# KiCad board OLD_PCB.kicad_pcb (continued)
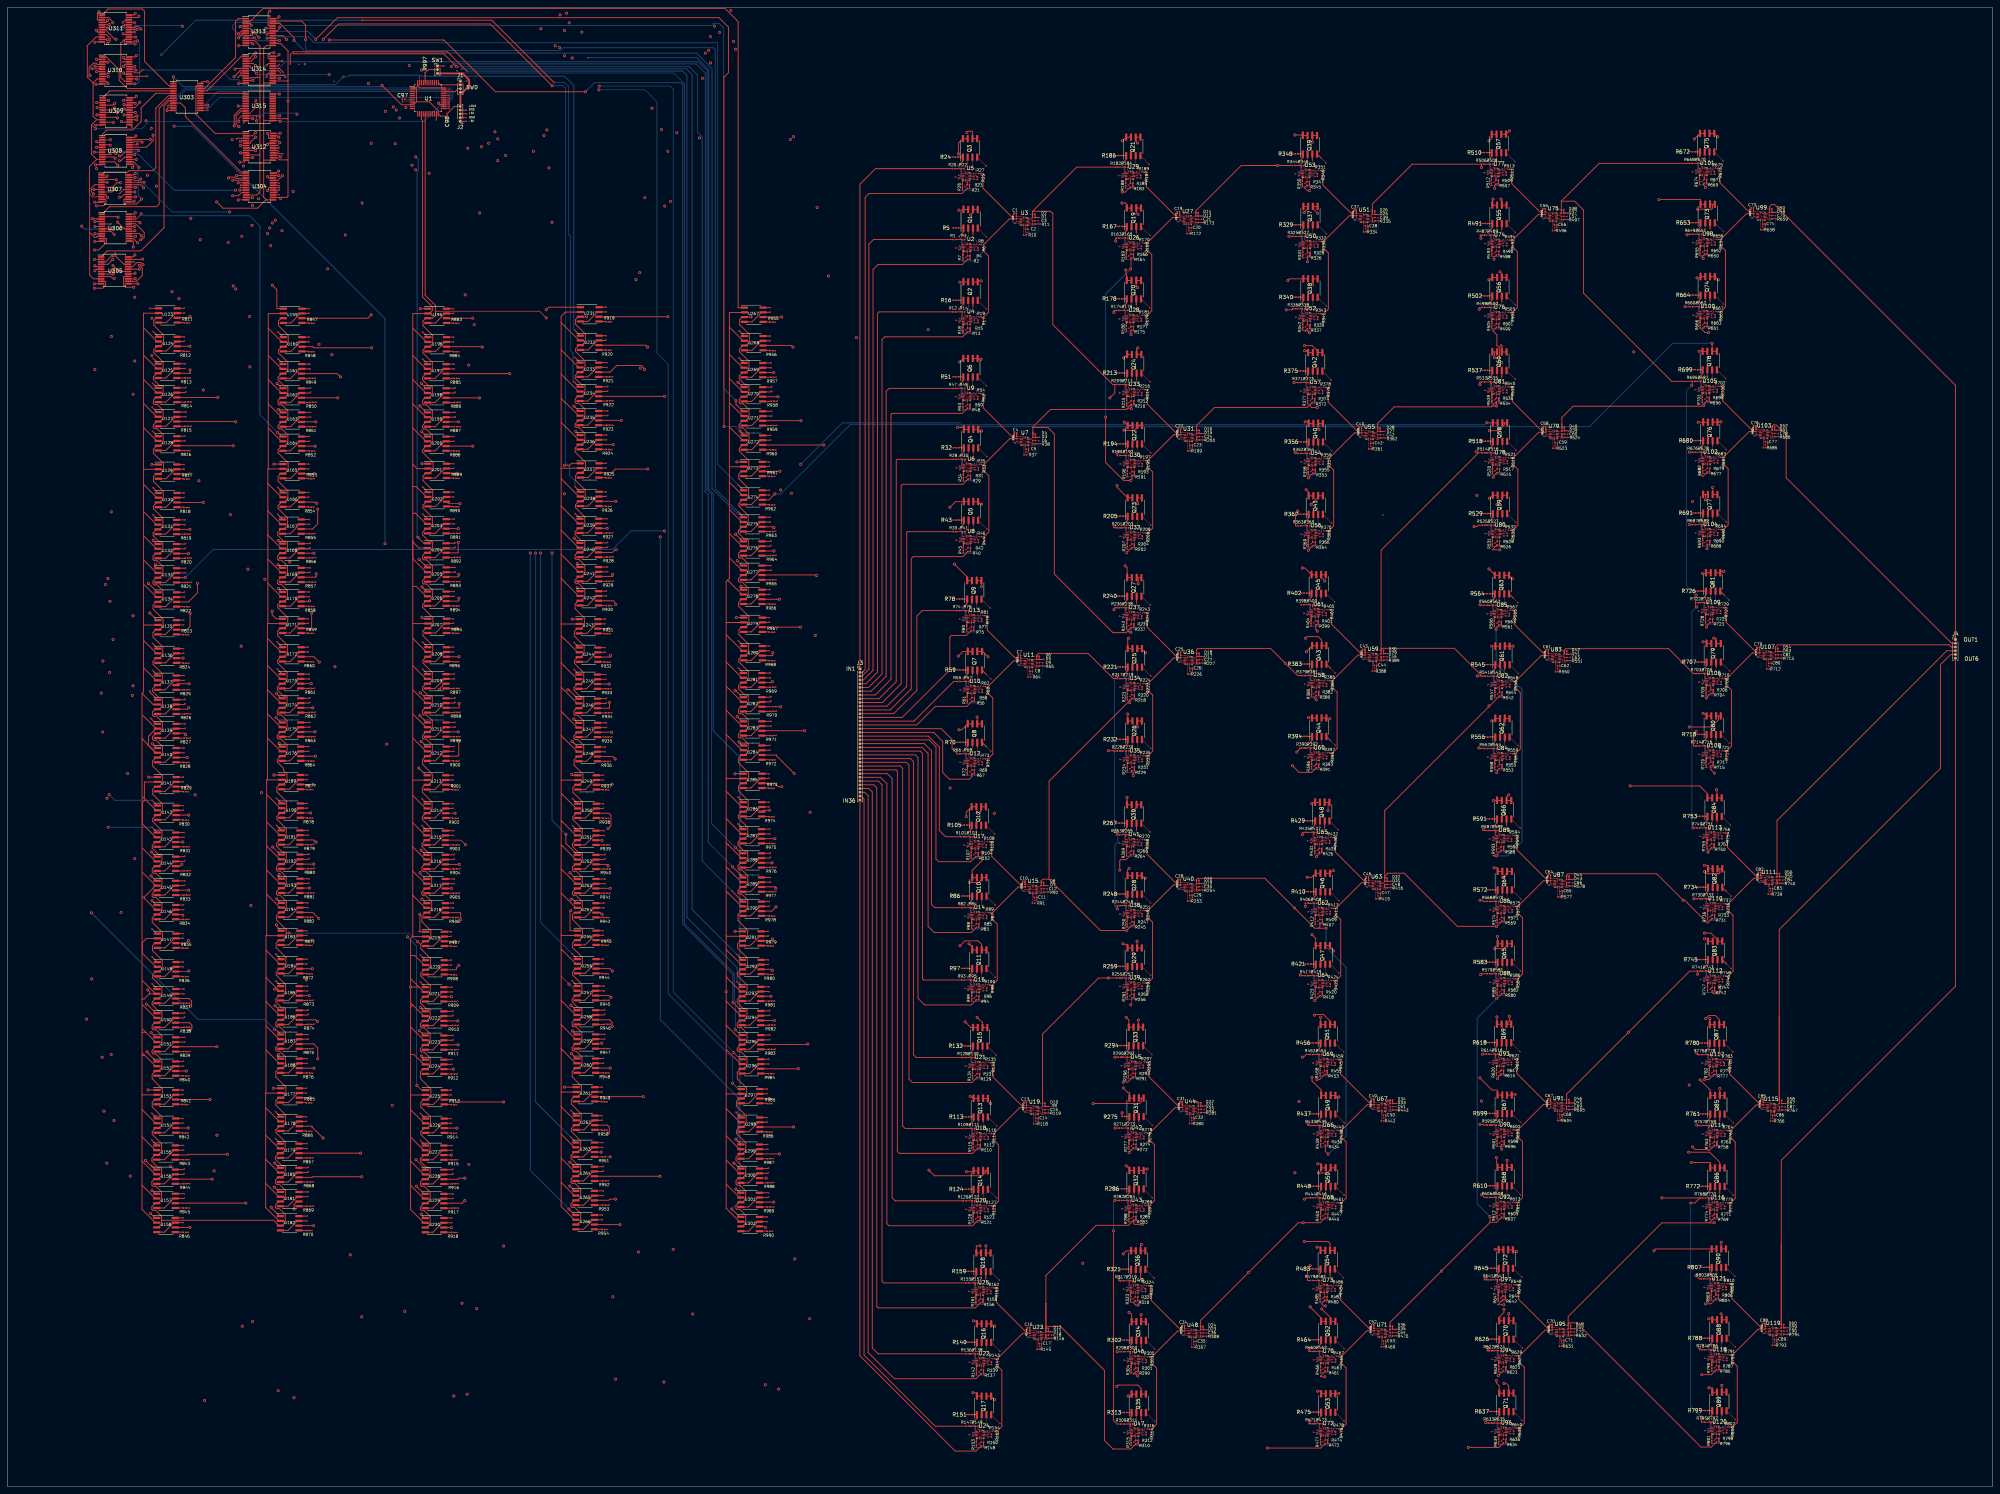
[diagram p0: board, top side]
## Routing (per net, layer and track width the routed paths; a pad name or vN(x,y) marks a point on that pad's centre or on a via; arc(x,y) is an arc through that point) (continued)
Net-(U78B--): length 2.2
  Top w0.1: U78.5 396.71,272.95 397.31,272.95
  Top w0.25: R520.1 396.47,273.01 396.53,273.08 396.56,273.08
Net-(U78C--): length 2.4
  Top w0.1: U78.8 398.46,271.84 398.36,271.75
  Top w0.25: R517.1 398.36,271.75 398.36,270.78
Net-(U78D--): length 3.8
  Top w0.1: R521.1 401.3,274.77 v1(400.73,274.77) ; v1(399.41,274.78) 399.34,274.7 U78.12 398.31,274.85 397.71,274.85
  Bottom w0.1: v1(399.41,274.78) 399.42,274.77 v1(400.73,274.77)
Net-(U79B-+): length 4.9
  Top w0.1: v1(410.34,280.45) 410.37,280.43 411.4,280.43 411.48,280.5 U79.4
  Top w0.25: 410.07,282.92 410.07,282.74 v1(409.83,282.5) ; 410.07,282.92 C58.2 410.07,282.92
  Bottom w0.25: v1(409.83,282.5) 409.83,280.77 410.13,280.47 410.36,280.47 v1(410.34,280.45)
Net-(U79B--): length 3.5
  Top w0.1: R523.1 412.65,277.3 U79.6 412.5,280.1 U79.5
  Top w0.25: 412.67,277.28 R523.1
Net-(U79C--): length 3.9
  Top w0.1: U79.8 413.8,278.85 C59.1 413.86,277.8 R523.2
  Top w0.25: 413.86,278.3 C59.1 ; 413.54,277.49 R523.2
Net-(U79D-+): length 2.8
  Top w0.1: U79.11 414.82,281.3 C60.2 R524.1
  Top w0.25: 415.04,280.65 R524.1 ; 415.04,280.86 C60.2
Net-(U80A--): length 4
  Top w0.1: R527.1 396.27,255.66 396.55,255.38
  Top w0.25: 395.17,256.74 395.17,256.74 R525.2 ; 395.17,256.74 394.46,256.74 ; 395.17,256.74 396.27,256.74 R527.1
Net-(U80B--): length 2.2
  Top w0.1: U80.6 396.7,253.63 396.55,253.78
  Top w0.25: R531.1 396.46,253.69 396.53,253.75 396.55,253.75
Net-(U80C--): length 2.4
  Top w0.1: R528.1 398.45,252.52 398.45,253.78
  Top w0.25: R528.1 398.36,251.46
Net-(U80D--): length 3.8
  Top w0.1: U80.13 398.3,255.53 398.45,255.38 399.33,255.38 v1(399.41,255.45) ; R532.1 401.3,255.44 v1(400.73,255.44)
  Bottom w0.1: v1(400.73,255.44) 399.42,255.44 v1(399.41,255.45)
Net-(U81A--): length 3.8
  Top w0.1: U81.1 396.13,293.92 R535.1
  Top w0.25: R533.2 396.12,295 R535.1 396.13,294.46
Net-(U81B--): length 2.8
  Top w0.1: U81.6 396.56,291.89 U81.5
  Top w0.25: 396.32,290.72 396.32,291.34 ; 396.32,291.34 396.32,291.34 R539.1 ; 396.32,291.34 396.32,291.95 396.38,292.02 396.41,292.02
Net-(U81C--): length 3.1
  Top w0.1: 398.21,290.68 398.31,290.78 U81.8
  Top w0.25: R536.1 398.21,290.2 398.21,290.2 ; 398.21,290.68 398.21,290.2 ; 398.21,290.2 398.21,289.96 ; 398.21,289.96 398.21,289.96 R534.2 ; 398.21,289.96 398.21,289.72
Net-(U81D--): length 3.8
  Top w0.1: v1(400.59,293.7) 401.15,293.7 R540.1 ; U81.13 398.16,293.79 U81.12 399.19,293.64 v1(399.26,293.71)
  Top w0.25: 401.21,293.65 R540.1
  Bottom w0.1: v1(399.26,293.71) 399.28,293.7 v1(400.59,293.7)
Net-(U82A--): length 3.3
  Top w0.1: 396.93,216.41 396.93,215.33 397.21,215.05
  Top w0.25: 395.12,216.41 396.93,216.41
Net-(U82B--): length 2.8
  Top w0.1: U82.6 397.36,213.3 397.21,213.45
  Top w0.25: 397.12,212.74 397.12,213.36 397.19,213.42 397.21,213.42 ; 397.12,212.74 R547.1 397.12,212.74
Net-(U82C--): length 2.8
  Top w0.1: 399.11,213.45 399.11,212.19 399.02,212.09
  Top w0.25: R544.1 399.02,212.09 399.02,211.61 ; 399.02,211.61 399.02,211.61 R542.2 ; 399.02,211.61 399.02,211.13
Net-(U82D--): length 3.8
  Top w0.1: v1(400.07,215.12) 400,215.05 399.11,215.05 398.96,215.2 U82.13 ; v1(401.39,215.11) 401.96,215.11 402.01,215.06
  Top w0.25: 399.04,215.12 398.98,215.18
  Bottom w0.1: v1(401.39,215.11) 400.08,215.11 v1(400.07,215.12)
Net-(U83B-+): length 4.9
  Top w0.15: U83.4 412.09,220.85 411.99,220.75 411.05,220.75 v1(411,220.8)
  Top w0.25: 410.72,223.27 410.72,223.27 C61.2 410.72,223.27 ; 410.72,223.27 410.72,223.08 v1(410.48,222.85)
  Bottom w0.25: v1(411,220.8) 411.02,220.81 410.79,220.81 410.48,221.12 v1(410.48,222.85)
Net-(U83B--): length 3.5
  Top w0.1: 413.34,217.61 413.3,217.65 U83.6 413.15,220.45 U83.5
  Top w0.25: 413.32,217.63 R550.1
Net-(U83C--): length 3.1
  Top w0.1: U83.8 414.45,219.19 414.51,219.14 414.51,218.15 413.98,217.61
Net-(U83D-+): length 2.2
  Top w0.1: R551.1 C63.2 415.48,221.65 U83.11
Net-(U84A--): length 3.3
  Top w0.1: U84.1 396.92,196.01 R554.1
  Top w0.25: 395.12,197.08 R554.1
Net-(U84B--): length 2.8
  Top w0.1: U84.5 397.36,193.97 397.96,193.97
  Top w0.25: 397.21,194.1 397.18,194.1 397.12,194.03 397.12,193.42 ; 397.12,192.81 397.12,193.42 ; 397.12,193.42 397.12,193.42 R558.1
Net-(U84C--): length 2.8
  Top w0.1: 399.01,192.77 399.11,192.86 U84.8
  Top w0.25: R555.1 399.01,192.77 399.01,192.28 ; 399.01,192.28 R553.2 399.01,192.28
Net-(U84D--): length 3.8
  Top w0.1: v1(400.06,195.8) 399.99,195.72 U84.12 398.96,195.87 398.36,195.87 ; 402,195.74 401.95,195.79 v1(401.38,195.79)
  Top w0.25: 399.03,195.8 398.97,195.86
  Bottom w0.1: v1(401.38,195.79) 400.07,195.79 v1(400.06,195.8)
Net-(U85A--): length 4
  Top w0.1: U85.1 396.78,234.27 R562.1
  Top w0.25: 395.68,235.35 R560.2 395.68,235.35 ; 395.68,235.35 396.78,235.35 R562.1
Net-(U85B--): length 2.2
  Top w0.1: U85.5 397.21,232.24 U85.6
  Top w0.25: 397.06,232.36 397.04,232.36 396.97,232.29 R566.1
Net-(U85C--): length 3.1
  Top w0.1: U85.8 398.96,231.12 398.87,231.03
  Top w0.25: 398.87,231.03 398.87,230.79 ; 398.87,230.79 398.87,230.54 ; 398.87,230.79 R563.1 ; 398.87,230.54 398.87,230.06 ; 398.87,230.54 R561.2
Net-(U85D--): length 3.8
  Top w0.1: U85.13 398.81,234.14 U85.12 399.84,233.99 v1(399.92,234.06) ; v1(401.24,234.05) 401.81,234.05 R567.1
  Top w0.25: 401.83,234.02 R567.1
  Bottom w0.1: v1(399.92,234.06) 399.93,234.05 v1(401.24,234.05)
Net-(U86A--): length 4
  Top w0.1: 397.53,156.26 R570.1 397.53,155.19 U86.1
  Top w0.25: 396.44,156.26 397.53,156.26 397.53,156.26 ; 396.44,156.26 395.73,156.26 ; 396.44,156.26 R568.2
Net-(U86B--): length 2.2
  Top w0.1: U86.5 397.97,153.15 398.57,153.15
  Top w0.25: 397.82,153.28 397.79,153.28 397.73,153.21 R574.1
Net-(U86C--): length 2.8
  Top w0.1: 399.62,151.95 399.72,152.04 U86.8
  Top w0.25: 399.62,151.46 399.62,151.46 R571.1 ; 399.62,151.46 399.62,151.95 ; 399.62,151.46 399.62,150.98
Net-(U86D--): length 3.8
  Top w0.1: v1(400.67,154.98) 400.6,154.9 U86.12 399.57,155.05 398.97,155.05 ; v1(402,154.97) 402.56,154.97 R575.1
  Bottom w0.1: v1(402,154.97) 400.69,154.97 v1(400.67,154.98)
Net-(U87B-+): length 4.9
  Top w0.1: v1(411.6,160.65) 411.63,160.63 412.66,160.63 412.74,160.7 U87.4
  Top w0.25: 411.33,163.12 C64.2 411.33,163.12 ; 411.33,163.12 411.33,162.94 v1(411.09,162.7)
  Bottom w0.25: v1(411.09,162.7) 411.09,160.97 411.39,160.67 411.62,160.67 v1(411.6,160.65)
Net-(U87B--): length 3.5
  Top w0.1: U87.5 413.76,160.3 U87.6 413.91,157.5 R577.1
  Top w0.25: 413.93,157.48 R577.1
Net-(U87C--): length 3.9
  Top w0.1: R577.2 415.12,158 C65.1 415.06,159.05 U87.8
  Top w0.25: 415.12,158.5 C65.1 ; 414.8,157.69 R577.2
Net-(U87D-+): length 2.8
  Top w0.1: U87.11 416.08,161.5 C66.2 R578.1
  Top w0.25: 416.3,161.06 C66.2 ; 416.3,160.85 R578.1
Net-(U88A--): length 4
  Top w0.1: R581.1 397.53,135.86 397.81,135.58
  Top w0.25: 396.43,136.94 397.53,136.94 R581.1 ; 396.43,136.94 395.72,136.94 ; 396.43,136.94 396.43,136.94 R579.2
Net-(U88B--): length 2.2
  Top w0.1: 397.81,133.98 397.96,133.83 U88.6
  Top w0.25: R585.1 397.72,133.89 397.79,133.95 397.81,133.95
Net-(U88C--): length 2.8
  Top w0.1: R582.1 399.71,132.72 399.71,133.98
  Top w0.25: 399.62,132.14 R582.1 399.62,132.14 ; 399.62,132.14 399.62,131.66
Net-(U88D--): length 3.8
  Top w0.1: v1(401.99,135.64) 402.56,135.64 R586.1 ; U88.13 399.56,135.73 399.71,135.58 400.59,135.58 v1(400.67,135.65)
  Bottom w0.1: v1(400.67,135.65) 400.68,135.64 v1(401.99,135.64)
Net-(U89A--): length 3.8
  Top w0.1: U89.1 397.39,174.12 R589.1
  Top w0.25: 397.39,174.66 R589.1 397.38,175.2 R587.2
Net-(U89B--): length 2.8
  Top w0.1: U89.5 397.82,172.09 U89.6
  Top w0.25: 397.58,170.92 397.58,171.54 ; 397.58,171.54 397.58,171.54 R593.1 ; 397.58,171.54 397.58,172.15 397.64,172.22 397.67,172.22
Net-(U89C--): length 3.1
  Top w0.1: 399.47,170.88 399.57,170.98 U89.8
  Top w0.25: 399.47,170.4 399.47,170.4 R590.1 ; 399.47,170.4 399.47,170.16 ; 399.47,170.4 399.47,170.88 ; 399.47,170.16 399.47,170.16 R588.2 ; 399.47,170.16 399.47,169.92
Net-(U89D--): length 3.8
  Top w0.1: U89.13 399.42,173.99 U89.12 400.45,173.84 v1(400.52,173.91) ; R594.1 402.41,173.9 v1(401.85,173.9)
  Top w0.25: 402.47,173.85 R594.1
  Bottom w0.1: v1(400.52,173.91) 400.54,173.9 v1(401.85,173.9)
Net-(U90A--): length 4
  Top w0.1: 397.79,95.18 397.51,95.46 R597.1
  Top w0.25: 395.7,96.54 396.41,96.54 ; 396.41,96.54 397.51,96.54 R597.1 ; 396.41,96.54 396.41,96.54 R595.2
Net-(U90B--): length 2.2
  Top w0.1: U90.6 397.94,93.43 397.79,93.58
  Top w0.25: R601.1 397.7,93.49 397.77,93.55 397.79,93.55
Net-(U90C--): length 2.8
  Top w0.1: 399.69,93.58 399.69,92.32 R598.1
  Top w0.25: 399.6,91.74 399.6,91.25 ; 399.6,91.74 R598.1 399.6,91.74
Net-(U90D--): length 3.8
  Top w0.1: U90.13 399.54,95.33 399.69,95.18 400.57,95.18 v1(400.65,95.25) ; R602.1 402.54,95.24 v1(401.97,95.24)
  Bottom w0.1: v1(401.97,95.24) 400.66,95.24 v1(400.65,95.25)
Net-(U91B-+): length 4.9
  Top w0.1: v1(411.58,100.93) 411.6,100.9 412.63,100.9 412.71,100.98 U91.4
  Top w0.25: 411.3,103.4 411.3,103.4 C67.2 ; 411.3,103.4 411.3,103.21 v1(411.06,102.98) ; 411.3,103.4 411.3,103.59
  Bottom w0.25: v1(411.06,102.98) 411.06,101.25 411.37,100.94 411.6,100.94 v1(411.58,100.93)
Net-(U91B--): length 3.5
  Top w0.1: 413.92,97.74 413.88,97.78 U91.6 413.73,100.58 413.13,100.58
  Top w0.25: R604.1 413.9,97.76
Net-(U91C--): length 3.9
  Top w0.1: 415.03,100.58 415.03,99.32 415.09,99.27 415.09,98.28 414.56,97.74
  Top w0.25: 414.78,97.96 R604.2 ; C68.1 415.09,98.77 415.09,98.77
Net-(U91D-+): length 2.8
  Top w0.1: 415.03,101.78 416.06,101.78 C69.2 416.28,100.69
  Top w0.25: C69.2 416.28,101.34 416.28,101.34 ; 416.28,101.12 R605.1
Net-(U92A--): length 4
  Top w0.1: R608.1 397.5,76.14 397.79,75.85
  Top w0.25: 396.41,77.21 R606.2 396.41,77.21 ; 396.41,77.21 397.5,77.21 R608.1
Net-(U92B--): length 2.2
  Top w0.1: U92.6 397.94,74.1 397.79,74.25
  Top w0.25: R612.1 397.7,74.16 397.76,74.23 397.79,74.23
Net-(U92C--): length 2.8
  Top w0.1: 399.59,72.9 399.69,72.99 399.69,74.25
  Top w0.25: 399.59,72.41 R609.1 ; 399.59,72.41 399.59,72.9 ; 399.59,72.41 R607.2
Net-(U92D--): length 3.8
  Top w0.1: v1(400.64,75.93) 400.57,75.85 399.69,75.85 399.54,76 U92.13 ; 402.58,75.87 402.53,75.92 v1(401.96,75.92)
  Bottom w0.1: v1(401.96,75.92) 400.65,75.92 v1(400.64,75.93)
Net-(U93A--): length 3.8
  Top w0.1: U93.1 397.36,114.4 R616.1
  Top w0.25: 397.36,114.94 R616.1 397.36,115.48 R614.2
Net-(U93B--): length 2.8
  Top w0.1: U93.6 397.79,112.37 397.64,112.52
  Top w0.25: 397.55,111.81 397.55,112.42 397.62,112.49 397.64,112.49 ; 397.55,111.81 R620.1 397.55,111.81
Net-(U93C--): length 3.1
  Top w0.1: 399.54,112.52 399.54,111.25 R617.1
  Top w0.25: 399.45,110.43 R615.2 ; 399.45,110.43 399.45,110.19 ; 399.45,110.43 399.45,110.67 ; 399.45,110.67 R617.1 399.45,110.67
Net-(U93D--): length 3.8
  Top w0.1: U93.13 399.39,114.27 U93.12 400.43,114.12 v1(400.5,114.19) ; v1(401.82,114.18) 402.39,114.18 R621.1
  Bottom w0.1: v1(401.82,114.18) 400.51,114.18 v1(400.5,114.19)
Net-(U94A--): length 4
  Top w0.1: U94.1 397.97,35.19 R624.1 397.97,36.26
  Top w0.25: 396.17,36.26 396.88,36.26 ; 396.88,36.26 397.97,36.26 397.97,36.26 ; 396.88,36.26 R622.2
Net-(U94B--): length 2.2
  Top w0.1: U94.5 398.41,33.15 399.01,33.15
  Top w0.25: R628.1 398.17,33.21 398.23,33.28 398.26,33.28
Net-(U94C--): length 2.8
  Top w0.1: U94.8 400.16,32.04 400.06,31.95
  Top w0.25: 400.06,31.46 400.06,30.98 ; 400.06,31.46 400.06,31.46 R625.1 ; 400.06,31.46 400.06,31.95
Net-(U94D--): length 3.8
  Top w0.1: 399.41,35.05 400.01,35.05 U94.12 401.04,34.9 v1(401.11,34.98) ; v1(402.44,34.97) 403,34.97 R629.1
  Bottom w0.1: v1(401.11,34.98) 401.12,34.97 v1(402.44,34.97)
Net-(U95B-+): length 4.9
  Top w0.1: U95.4 413.18,40.7 413.1,40.62 412.07,40.62 v1(412.04,40.65)
  Top w0.25: 411.77,43.12 C70.2 411.77,43.12 ; 411.77,43.12 411.77,42.94 v1(411.53,42.7)
  Bottom w0.25: v1(411.53,42.7) 411.53,40.97 411.83,40.67 412.06,40.67 v1(412.04,40.65)
Net-(U95B--): length 3.5
  Top w0.1: U95.5 414.2,40.3 U95.6 414.35,37.5 R631.1
  Top w0.25: 414.37,37.48 R631.1
Net-(U95C--): length 3.9
  Top w0.1: U95.8 415.5,39.05 C71.1 415.56,38 R631.2
  Top w0.25: 415.56,38.5 C71.1 ; 415.24,37.69 R631.2
Net-(U95D-+): length 2.8
  Top w0.1: U95.11 416.52,41.5 C72.2 R632.1
  Top w0.25: 416.74,40.63 R632.1 ; 416.74,40.85 C72.2
Net-(U96A--): length 4
  Top w0.1: 398.25,15.58 397.97,15.86 R635.1
  Top w0.25: 396.16,16.94 396.87,16.94 ; 396.87,16.94 396.87,16.94 R633.2 ; 396.87,16.94 397.97,16.94 R635.1
Net-(U96B--): length 2.2
  Top w0.1: U96.6 398.4,13.83 398.25,13.98
  Top w0.25: 398.25,13.95 398.23,13.95 398.16,13.89 R639.1
Net-(U96C--): length 2.8
  Top w0.1: 400.15,13.98 400.15,12.72 R636.1
  Top w0.25: 400.06,12.14 R636.1 400.06,12.14 ; 400.06,12.14 400.06,11.66
Net-(U96D--): length 3.8
  Top w0.1: v1(402.43,15.64) 403,15.64 R640.1 ; v1(401.11,15.65) 401.03,15.58 400.15,15.58 400,15.73 U96.13
  Bottom w0.1: v1(401.11,15.65) 401.12,15.64 v1(402.43,15.64)
Net-(U97A--): length 3.8
  Top w0.1: R643.1 397.83,54.12 U97.1
  Top w0.25: 397.83,54.66 R643.1 397.82,55.2 R641.2
Net-(U97B--): length 2.8
  Top w0.1: U97.6 398.26,52.09 U97.5
  Top w0.25: 398.11,52.22 398.08,52.22 398.02,52.15 398.02,51.54 ; 398.02,51.54 398.02,50.92 ; 398.02,51.54 398.02,51.54 R647.1
Net-(U97C--): length 3.1
  Top w0.1: U97.8 400.01,50.98 399.91,50.88
  Top w0.25: 399.91,50.4 399.91,50.16 ; 399.91,50.4 399.91,50.88 ; 399.91,50.4 399.91,50.4 R644.1 ; 399.91,50.16 399.91,49.92 ; 399.91,50.16 399.91,50.16 R642.2
Net-(U97D--): length 3.8
  Top w0.1: U97.13 399.86,53.99 U97.12 400.89,53.84 v1(400.96,53.91) ; v1(402.29,53.9) 402.85,53.9 R648.1
  Top w0.25: 402.91,53.85 R648.1
  Bottom w0.1: v1(402.29,53.9) 400.98,53.9 v1(400.96,53.91)
Net-(U98A--): length 3.3
  Top w0.1: R651.1 451.72,333.35 U98.1
  Top w0.25: R649.2 451.72,334.43 R651.1
Net-(U98B--): length 2.8
  Top w0.1: U98.6 452.16,331.32 U98.5
  Top w0.25: 452.01,331.44 451.98,331.44 451.92,331.38 451.92,330.76 ; 451.92,330.15 451.92,330.76 ; 451.92,330.76 451.92,330.76 R655.1
Net-(U98C--): length 2.4
  Top w0.1: U98.8 453.91,330.21 R652.1
  Top w0.25: R652.1 R650.2
Net-(U98D--): length 3.8
  Top w0.1: 453.16,333.22 453.76,333.22 U98.12 454.79,333.07 v1(454.86,333.14) ; v1(456.19,333.13) 456.75,333.13 R656.1
  Bottom w0.1: v1(454.86,333.14) 454.87,333.13 v1(456.19,333.13)
Net-(U99B-+): length 4.7
  Top w0.1: v1(465.79,338.81) 465.82,338.79 466.85,338.79 466.92,338.86 467.35,338.86
  Top w0.25: v1(465.28,340.86) 465.52,341.1 C73.2
  Bottom w0.25: v1(465.79,338.81) 465.81,338.83 465.58,338.83 465.28,339.14 v1(465.28,340.86)
Net-(U99B--): length 3.5
  Top w0.1: U99.5 467.95,338.46 U99.6 468.1,335.66 R658.1
  Top w0.25: 468.12,335.65 R658.1
Net-(U99C--): length 3.9
  Top w0.1: 469.25,338.46 469.25,337.21 469.3,337.16 469.3,336.17 468.98,335.84 R658.2
  Top w0.25: 468.98,335.84 R658.2 ; 469.3,336.66 469.31,336.66 C74.1
Net-(U99D-+): length 2.2
  Top w0.1: R659.1 C75.2 470.27,339.66 U99.11
Net-(U100A--): length 3.3
  Top w0.1: U100.1 451.72,314.03 R662.1
  Top w0.25: R662.1 451.72,315.1 R660.2
Net-(U100B--): length 2.8
  Top w0.1: U100.6 452.15,311.99 U100.5
  Top w0.25: 451.91,311.44 451.91,312.05 451.98,312.12 452,312.12 ; 451.91,311.44 R666.1 451.91,311.44
Net-(U100C--): length 2.4
  Top w0.1: U100.8 453.9,310.88 R663.1
  Top w0.25: R663.1 R661.2
Net-(U100D--): length 3.8
  Top w0.1: v1(456.18,313.81) 456.75,313.81 R667.1 ; U100.13 453.75,313.89 U100.12 454.78,313.74 v1(454.86,313.82)
  Bottom w0.1: v1(454.86,313.82) 454.87,313.81 v1(456.18,313.81)
Net-(U101A--): length 3.3
  Top w0.1: R670.1 451.57,352.29 U101.1
  Top w0.25: R670.1 451.57,353.36 R668.2
Net-(U101B--): length 2.2
  Top w0.1: U101.5 452.01,350.25 452.61,350.25
  Top w0.25: R674.1 451.77,350.31 451.83,350.38 451.86,350.38
Net-(U101C--): length 2.9
  Top w0.1: 453.66,349.04 453.76,349.14 U101.8
  Top w0.25: R669.2 453.66,348.56 453.66,348.56 ; 453.71,349.09 R671.1 ; 453.66,348.56 453.66,348.08 ; 453.66,348.56 453.66,349.04
Net-(U101D--): length 3.8
  Top w0.1: R675.1 456.6,352.07 v1(456.03,352.07) ; v1(454.71,352.08) 454.64,352 U101.12 453.61,352.15 U101.13
  Bottom w0.1: v1(454.71,352.08) 454.72,352.07 v1(456.03,352.07)
Net-(U102A--): length 3.5
  Top w0.1: U102.1 452.42,275.15 452.42,276.23
  Top w0.25: 450.62,276.23 452.42,276.23 ; 452.42,276.03 R678.1
Net-(U102B--): length 2.8
  Top w0.1: U102.5 452.86,273.12 453.46,273.12
  Top w0.25: R682.1 452.62,272.56 452.62,272.56 ; 452.71,273.24 452.68,273.24 452.62,273.18 452.62,272.56 ; 452.62,272.56 452.62,271.95
Net-(U102C--): length 2.4
  Top w0.1: R679.1 454.61,272 U102.8
  Top w0.25: R679.1 R677.2
Net-(U102D--): length 3.8
  Top w0.1: v1(455.56,274.94) 455.49,274.87 U102.12 454.46,275.02 453.86,275.02 ; R683.1 457.45,274.93 v1(456.88,274.93)
  Bottom w0.1: v1(455.56,274.94) 455.57,274.93 v1(456.88,274.93)
Net-(U103B-+): length 4.9
  Top w0.1: 468.05,280.66 467.62,280.66 467.55,280.59 466.52,280.59 v1(466.49,280.61)
  Top w0.25: 466.22,283.09 C76.2 466.22,283.09 ; 466.22,283.09 466.22,282.9 v1(465.98,282.66)
  Bottom w0.25: v1(465.98,282.66) 465.98,280.94 466.28,280.63 466.51,280.63 v1(466.49,280.61)
Net-(U103B--): length 3.5
  Top w0.1: R685.1 468.8,277.46 U103.6 468.65,280.26 468.05,280.26
Net-(U103C--): length 3.6
  Top w0.1: 469.95,280.26 469.95,279.01 470,278.96 470,277.97 R685.2
  Top w0.25: C77.1 470.01,278.46 470,278.46
Net-(U103D-+): length 2.2
  Top w0.1: 469.95,281.46 470.97,281.46 C78.2 R686.1
Net-(U104A--): length 3.8
  Top w0.1: R689.1 452.42,255.83 452.7,255.54
  Top w0.25: 452.42,256.42 R689.1 452.42,256.9 450.61,256.9
Net-(U104B--): length 2.8
  Top w0.1: 452.7,253.94 452.85,253.79 U104.6
  Top w0.25: 452.61,253.24 452.61,253.85 452.68,253.92 452.7,253.92 ; 452.61,253.24 R693.1 452.61,253.24
Net-(U104C--): length 2.8
  Top w0.1: 454.6,253.94 454.6,252.68 R690.1
  Top w0.25: 454.51,252.1 R688.2 ; 454.51,252.1 454.51,252.1 R690.1 454.51,252.1
Net-(U104D--): length 3.8
  Top w0.1: v1(455.56,255.62) 455.48,255.54 454.6,255.54 454.45,255.69 U104.13 ; v1(456.88,255.61) 457.45,255.61 R694.1
  Bottom w0.1: v1(456.88,255.61) 455.57,255.61 v1(455.56,255.62)
Net-(U105A--): length 4
  Top w0.1: U105.1 452.27,294.09 R697.1 452.27,295.16
  Top w0.25: 452.27,295.16 452.27,295.16 451.18,295.16 ; 451.18,295.16 450.47,295.16 ; 451.18,295.16 R695.2
Net-(U105B--): length 2.2
  Top w0.1: U105.5 452.71,292.05 453.31,292.05
  Top w0.25: R701.1 452.47,292.11 452.53,292.18 452.56,292.18
Net-(U105C--): length 2.8
  Top w0.1: 454.36,290.85 454.46,290.94 U105.8
  Top w0.25: 454.36,290.85 454.36,290.36 ; 454.36,290.36 454.36,290.36 R698.1 ; 454.36,290.36 454.36,289.88
Net-(U105D--): length 3.8
  Top w0.1: v1(456.73,293.87) 457.3,293.87 R702.1 ; 453.71,293.95 454.31,293.95 U105.12 455.34,293.8 v1(455.41,293.88)
  Bottom w0.1: v1(455.41,293.88) 455.42,293.87 v1(456.73,293.87)
Net-(U106A--): length 3.3
  Top w0.1: U106.1 453.33,216.04 453.33,217.11
  Top w0.25: R703.2 453.33,217.11 453.33,217.11
Net-(U106B--): length 2.8
  Top w0.1: U106.5 453.76,214 U106.6
  Top w0.25: 453.61,214.13 453.59,214.13 453.52,214.06 453.52,213.45 ; 453.52,213.45 R709.1 453.52,213.45
Net-(U106C--): length 2.8
  Top w0.1: 455.42,212.79 455.51,212.89 U106.8
  Top w0.25: 455.42,212.31 455.42,211.83 ; 455.42,212.31 455.42,212.79 R706.1 ; 455.42,212.31 455.42,212.31 R704.2
Net-(U106D--): length 3.8
  Top w0.1: v1(456.47,215.82) 456.39,215.75 U106.12 455.36,215.9 U106.13 ; v1(457.79,215.81) 458.36,215.81 458.41,215.76
  Top w0.25: 455.44,215.83 455.39,215.87
  Bottom w0.1: v1(456.47,215.82) 456.48,215.81 v1(457.79,215.81)
Net-(U107B-+): length 4.9
  Top w0.15: v1(467.4,221.5) 467.45,221.45 468.39,221.45 468.49,221.55 U107.4
  Top w0.25: 467.12,223.97 C79.2 467.12,223.97 ; 467.12,223.97 467.12,223.78 v1(466.88,223.55)
  Bottom w0.25: v1(466.88,223.55) 466.88,221.82 467.19,221.52 467.42,221.52 v1(467.4,221.5)
Net-(U107B--): length 3.5
  Top w0.1: 468.95,221.15 469.55,221.15 U107.6 469.7,218.35 R712.1
  Top w0.25: 469.72,218.33 R712.1
Net-(U107C--): length 3.1
  Top w0.1: 470.85,221.15 470.85,219.89 C80.1 470.91,218.85 R712.2
Net-(U107D-+): length 2.2
  Top w0.1: R713.1 C81.2 471.88,222.35 470.85,222.35
Net-(U108A--): length 3.3
  Top w0.1: R716.1 453.32,196.71 453.61,196.43
  Top w0.25: 451.52,197.79 R716.1
Net-(U108B--): length 2.8
  Top w0.1: 453.61,194.83 453.76,194.68 454.36,194.68
  Top w0.25: 453.52,193.51 453.52,194.12 ; 453.52,194.12 453.52,194.12 453.52,193.51 ; 453.52,194.12 453.52,194.73 453.58,194.8 453.61,194.8
Net-(U108C--): length 2.8
  Top w0.1: 455.51,194.83 455.51,193.56 R717.1
  Top w0.25: 455.41,192.98 R715.2 ; 455.41,192.98 455.41,192.5 ; 455.41,192.98 R717.1
Net-(U108D--): length 3.8
  Top w0.1: v1(456.46,196.5) 456.39,196.43 455.51,196.43 455.36,196.58 454.76,196.58 ; R721.1 458.35,196.49 v1(457.78,196.49)
  Top w0.25: 455.43,196.5 455.37,196.56
  Bottom w0.1: v1(457.78,196.49) 456.47,196.49 v1(456.46,196.5)
Net-(U109A--): length 4
  Top w0.1: R724.1 453.18,234.97 453.46,234.69
  Top w0.25: 452.08,236.05 453.18,236.05 R724.1 ; 452.08,236.05 451.37,236.05 ; 452.08,236.05 452.08,236.05 R722.2
Net-(U109B--): length 2.2
  Top w0.1: U109.6 453.61,232.94 U109.5 453.46,233.09
  Top w0.25: 453.46,233.06 453.44,233.06 453.37,233 R728.1